# KiCad board LegionKeys.kicad_pcb
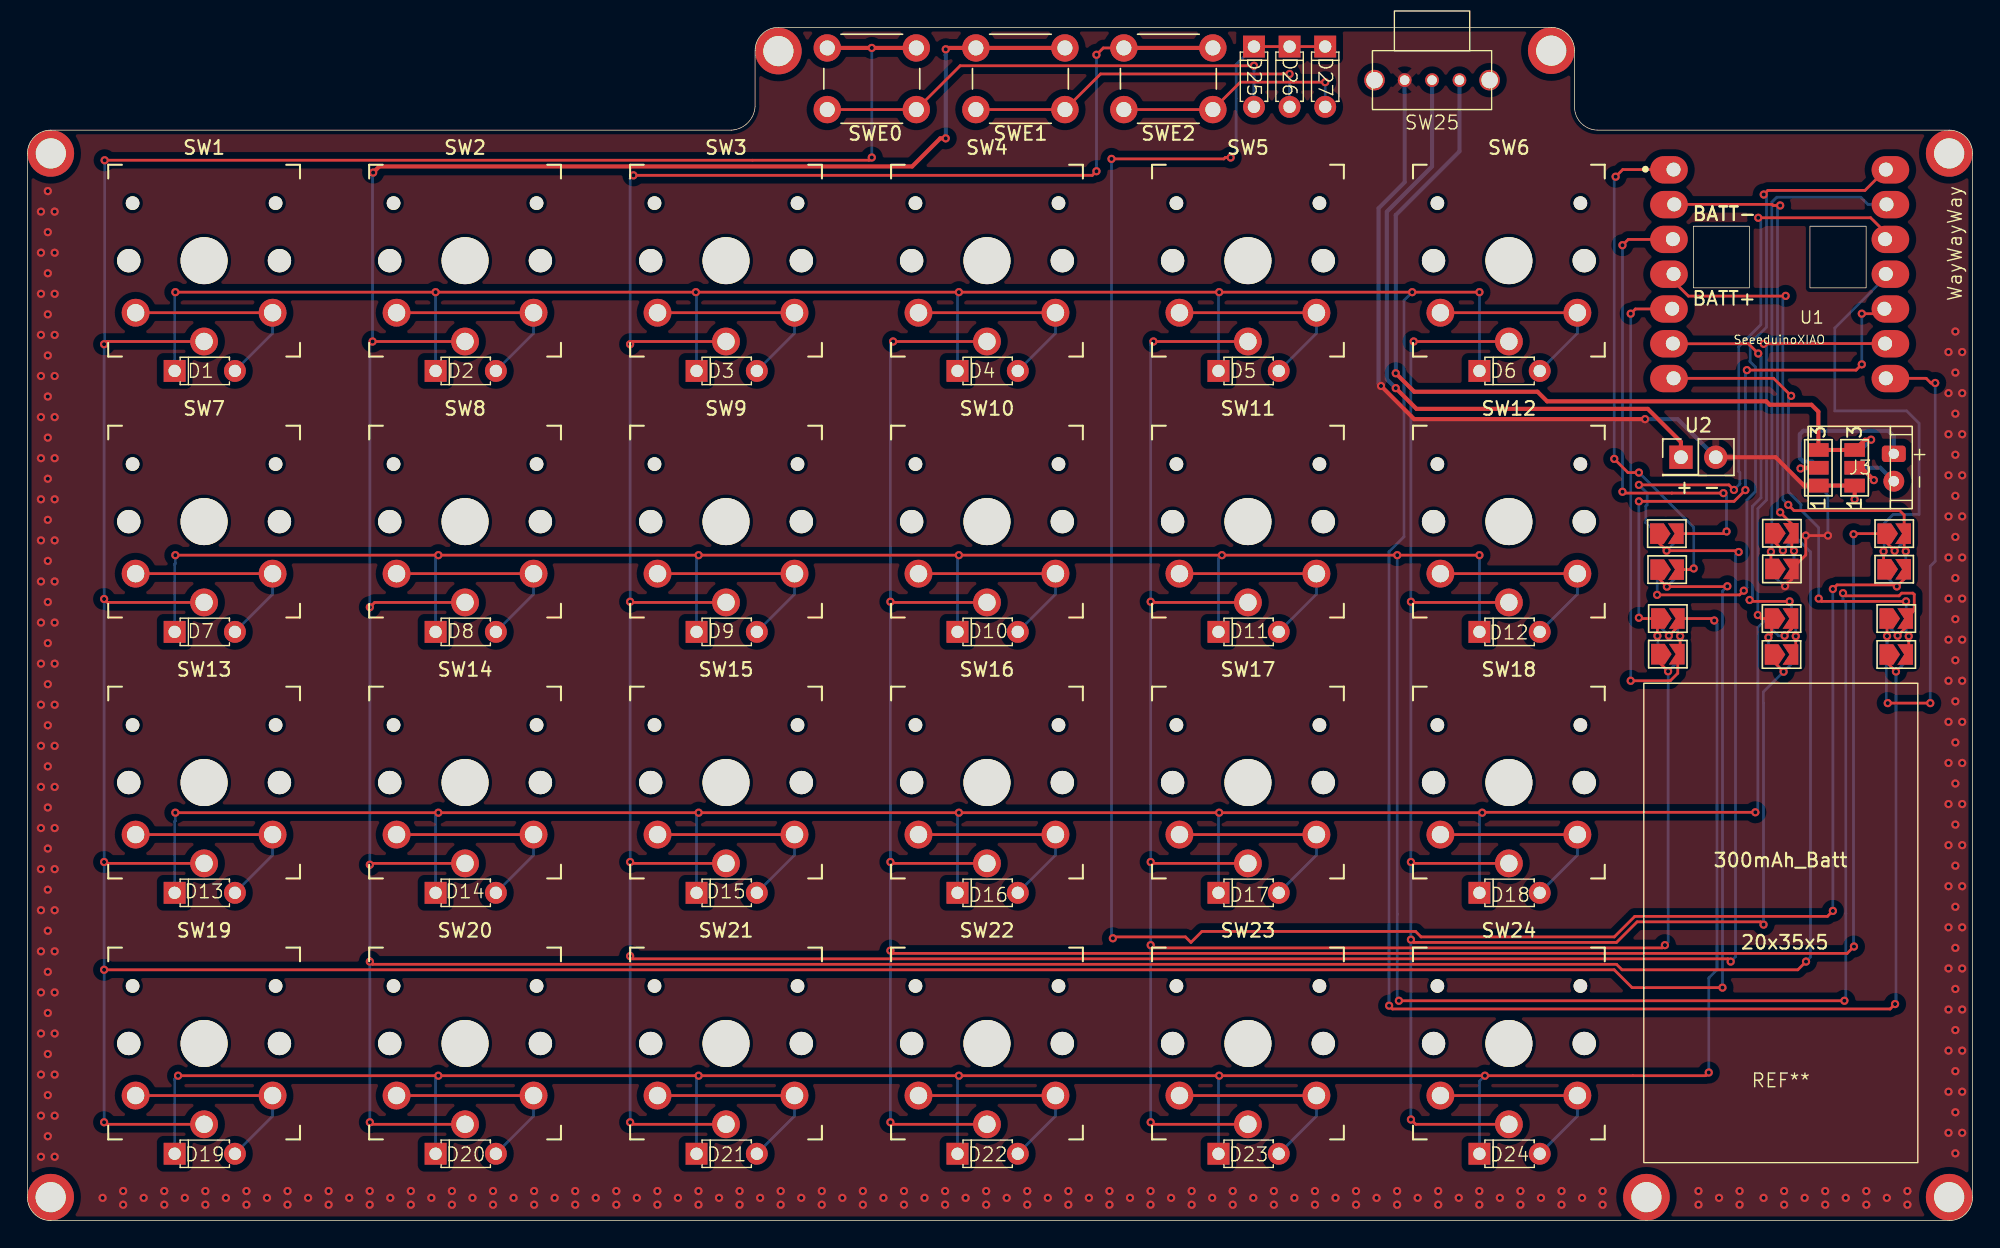
[diagram p0: board, top side]
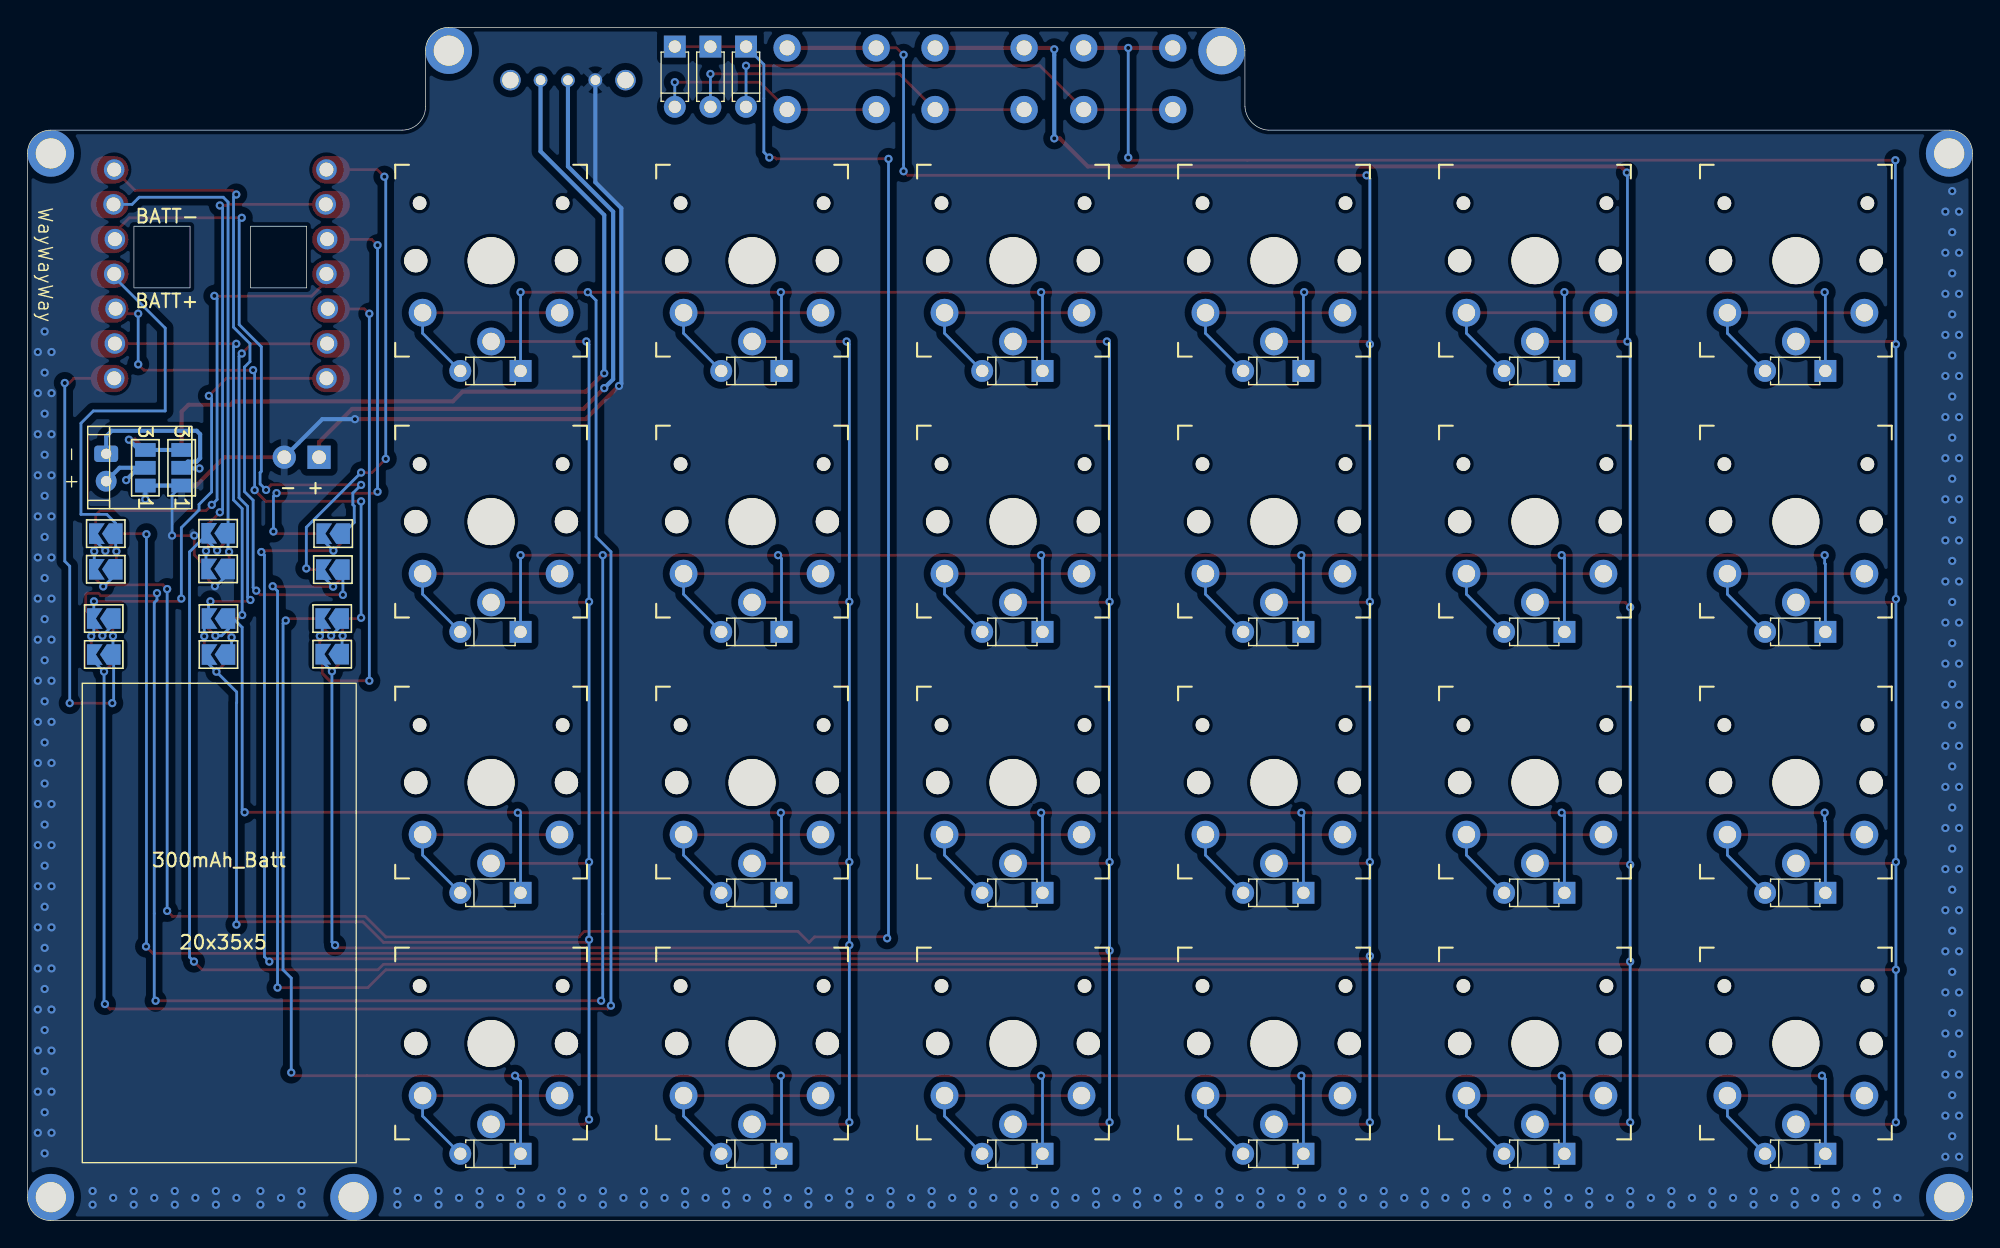
[diagram p1: board, bottom side, seen from below]

Outline 142 x 87.11 mm; copper layers: Top, Bottom. Coordinates in mm from the lower left corner of the outline.
Outline path: 0,77.91 arc(0.5,79.11) 1.71,79.61 51.42,79.61 arc(52.6,80.15) 53.12,81.34 53.12,85.41 arc(53.62,86.61) 54.82,87.11 111.24,87.11 arc(112.44,86.61) 112.94,85.41 112.94,81.31 arc(113.44,80.11) 114.64,79.61 140.29,79.61 arc(141.5,79.11) 142,77.91 142,1.71 arc(141.5,0.5) 140.29,0 1.7,0 arc(0.5,0.5) 0,1.71 0,77.91
Stack: Top 0.035mm / dielectric 1.51mm FR4 er 4.5 / Bottom 0.035mm

## Placement (name value [footprint] x y rotation side)
D1  D  [1N4148_Diode]  12.95 62.03 0 top
D2  D  [1N4148_Diode]  32 62.03 0 top
D3  D  [1N4148_Diode]  51.05 62.03 0 top
D4  D  [1N4148_Diode]  70.1 62.03 0 top
D5  D  [1N4148_Diode]  89.15 62.03 0 top
D6  D  [1N4148_Diode]  108.2 62.03 0 top
D7  D  [1N4148_Diode]  12.95 42.98 0 top
D8  D  [1N4148_Diode]  32 42.98 0 top
D9  D  [1N4148_Diode]  51.05 42.98 0 top
D10  D  [1N4148_Diode]  70.1 42.98 0 top
D11  D  [1N4148_Diode]  89.15 42.98 0 top
D12  D  [1N4148_Diode]  108.2 42.98 0 top
D13  D  [1N4148_Diode]  12.95 23.93 0 top
D14  D  [1N4148_Diode]  32 23.93 0 top
D15  D  [1N4148_Diode]  51.05 23.93 0 top
D16  D  [1N4148_Diode]  70.1 23.93 0 top
D17  D  [1N4148_Diode]  89.15 23.93 0 top
D18  D  [1N4148_Diode]  108.2 23.93 0 top
D19  D  [1N4148_Diode]  12.95 4.88 0 top
D20  D  [1N4148_Diode]  32 4.88 0 top
D21  D  [1N4148_Diode]  51.05 4.88 0 top
D22  D  [1N4148_Diode]  70.1 4.88 0 top
D23  D  [1N4148_Diode]  89.15 4.88 0 top
D24  D  [1N4148_Diode]  108.2 4.88 0 top
D25  D  [1N4148_Diode]  89.54 83.51 270 top
D26  D  [1N4148_Diode]  92.14 83.51 270 top
D27  D  [1N4148_Diode]  94.74 83.51 270 top
J3  Conn_01x02_Socket  [JST_2P_PH_SideMount]  136.25 54.98 0 top
JP_BATT+B1  SolderJumper_3_Open  [SolderJumper-3_P1.3mm_Open_Pad1.0x1.5mm_NumberLabels]  130.74 54.96 90 bottom
JP_BATT+F1  SolderJumper_3_Open  [SolderJumper-3_P1.3mm_Open_Pad1.0x1.5mm_NumberLabels]  130.74 54.96 90 top
JP_BATT-B1  SolderJumper_3_Open  [SolderJumper-3_P1.3mm_Open_Pad1.0x1.5mm_NumberLabels]  133.39 54.96 90 bottom
JP_BATT-F1  SolderJumper_3_Open  [SolderJumper-3_P1.3mm_Open_Pad1.0x1.5mm_NumberLabels]  133.39 54.96 90 top
JPB-2  Jumper  [SolderJumper-2_P1.3mm_Open_TrianglePad1.0x1.5mm]  128.08 47.58 0 bottom
JPB-4  Jumper  [SolderJumper-2_P1.3mm_Open_TrianglePad1.0x1.5mm]  136.28 47.55 0 bottom
JPB-5  Jumper  [SolderJumper-2_P1.3mm_Open_TrianglePad1.0x1.5mm]  119.75 43.95 0 bottom
JPB-6  Jumper  [SolderJumper-2_P1.3mm_Open_TrianglePad1.0x1.5mm]  128.05 43.95 0 bottom
JPB-7  Jumper  [SolderJumper-2_P1.3mm_Open_TrianglePad1.0x1.5mm]  136.43 43.95 0 bottom
JPB-8  Jumper  [SolderJumper-2_P1.3mm_Open_TrianglePad1.0x1.5mm]  136.43 41.33 0 bottom
JPB-9  Jumper  [SolderJumper-2_P1.3mm_Open_TrianglePad1.0x1.5mm]  128.05 41.33 0 bottom
JPB-10  Jumper  [SolderJumper-2_P1.3mm_Open_TrianglePad1.0x1.5mm]  119.75 41.35 0 bottom
JPB-11  Jumper  [SolderJumper-2_P1.3mm_Open_TrianglePad1.0x1.5mm]  136.28 50.15 0 bottom
JPB-12  Jumper  [SolderJumper-2_P1.3mm_Open_TrianglePad1.0x1.5mm]  119.68 50.15 0 bottom
JPB-13  Jumper  [SolderJumper-2_P1.3mm_Open_TrianglePad1.0x1.5mm]  128.08 50.18 0 bottom
JPB-14  Jumper  [SolderJumper-2_P1.3mm_Open_TrianglePad1.0x1.5mm]  119.7 47.53 0 bottom
JPF-1  Jumper  [SolderJumper-2_P1.3mm_Open_TrianglePad1.0x1.5mm]  119.7 47.53 0 top
JPF-2  Jumper  [SolderJumper-2_P1.3mm_Open_TrianglePad1.0x1.5mm]  128.08 50.18 0 top
JPF-3  Jumper  [SolderJumper-2_P1.3mm_Open_TrianglePad1.0x1.5mm]  119.68 50.15 0 top
JPF-4  Jumper  [SolderJumper-2_P1.3mm_Open_TrianglePad1.0x1.5mm]  136.28 50.15 0 top
JPF-5  Jumper  [SolderJumper-2_P1.3mm_Open_TrianglePad1.0x1.5mm]  119.75 41.35 0 top
JPF-6  Jumper  [SolderJumper-2_P1.3mm_Open_TrianglePad1.0x1.5mm]  128.05 41.33 0 top
JPF-7  Jumper  [SolderJumper-2_P1.3mm_Open_TrianglePad1.0x1.5mm]  136.43 41.33 0 top
JPF-8  Jumper  [SolderJumper-2_P1.3mm_Open_TrianglePad1.0x1.5mm]  136.43 43.95 0 top
JPF-9  Jumper  [SolderJumper-2_P1.3mm_Open_TrianglePad1.0x1.5mm]  128.05 43.95 0 top
JPF-10  Jumper  [SolderJumper-2_P1.3mm_Open_TrianglePad1.0x1.5mm]  119.75 43.95 0 top
JPF-11  Jumper  [SolderJumper-2_P1.3mm_Open_TrianglePad1.0x1.5mm]  136.28 47.55 0 top
JPF-13  Jumper  [SolderJumper-2_P1.3mm_Open_TrianglePad1.0x1.5mm]  128.08 47.58 0 top
REF**  -  [NamePlate_1]  139.84 69.41 90 top
REF**#2  -  [ScrewHole]  140.29 77.91 0 top
REF**#3  -  [ScrewHole]  1.71 77.91 0 top
REF**#4  -  [ScrewHole]  118.19 1.71 0 top
REF**#5  -  [ScrewHole]  140.29 1.71 0 top
REF**#6  -  [ScrewHole]  111.24 85.41 0 top
REF**#7  -  [300mAh_Battery]  128 21.73 0 top
REF**#8  -  [ScrewHole]  1.7 1.71 0 top
REF**#9  -  [ScrewHole]  54.82 85.38 0 top
REF**#10  -  [NamePlate_1]  139.84 71.71 270 bottom
SW1  SW_Push  [SW_PG1350_reversible]  12.9 70.08 0 top
SW2  SW_Push  [SW_PG1350_reversible]  31.95 70.08 0 top
SW3  SW_Push  [SW_PG1350_reversible]  51 70.08 0 top
SW4  SW_Push  [SW_PG1350_reversible]  70.05 70.08 0 top
SW5  SW_Push  [SW_PG1350_reversible]  89.1 70.08 0 top
SW6  SW_Push  [SW_PG1350_reversible]  108.15 70.08 0 top
SW7  SW_Push  [SW_PG1350_reversible]  12.9 51.03 0 top
SW8  SW_Push  [SW_PG1350_reversible]  31.95 51.03 0 top
SW9  SW_Push  [SW_PG1350_reversible]  51 51.03 0 top
SW10  SW_Push  [SW_PG1350_reversible]  70.05 51.03 0 top
SW11  SW_Push  [SW_PG1350_reversible]  89.1 51.03 0 top
SW12  SW_Push  [SW_PG1350_reversible]  108.15 51.03 0 top
SW13  SW_Push  [SW_PG1350_reversible]  12.9 31.98 0 top
SW14  SW_Push  [SW_PG1350_reversible]  31.95 31.98 0 top
SW15  SW_Push  [SW_PG1350_reversible]  51 31.98 0 top
SW16  SW_Push  [SW_PG1350_reversible]  70.05 31.98 0 top
SW17  SW_Push  [SW_PG1350_reversible]  89.1 31.98 0 top
SW18  SW_Push  [SW_PG1350_reversible]  108.15 31.98 0 top
SW19  SW_Push  [SW_PG1350_reversible]  12.9 12.93 0 top
SW20  SW_Push  [SW_PG1350_reversible]  31.95 12.93 0 top
SW21  SW_Push  [SW_PG1350_reversible]  51 12.93 0 top
SW22  SW_Push  [SW_PG1350_reversible]  70.05 12.93 0 top
SW23  SW_Push  [SW_PG1350_reversible]  89.1 12.93 0 top
SW24  SW_Push  [SW_PG1350_reversible]  108.15 12.93 0 top
SW25  SW_SPDT  [SlideSwitch_IS-1245T-G]  102.54 83.26 180 top
SWE0  SW_Push  [SW_PUSH_6mm]  58.39 85.61 0 top
SWE1  SW_Push  [SW_PUSH_6mm]  69.24 85.61 0 top
SWE2  SW_Push  [SW_PUSH_6mm]  80.04 85.61 0 top
U1  SeeeduinoXIAO  [Seeeduino XIAO-MOUDLE14P-2.54-21X17.8MM_ThroughHole]  119 58.59 0 top
U2  ~  [PinHeader_2x01_P2.54mm_Vertical]  120.71 55.73 0 top

## Library data of the parts
D1-D27 = -: Description: Diode; Sim.Pins: 1=K 2=A; ki_fp_filters: TO-???* *_Diode_* *SingleDiode* D_*
J3 = -: Description: Generic connector, single row, 01x02, script generated
JP_BATT+B1 JP_BATT+F1 JP_BATT-B1 JP_BATT-F1 = -: Description: Solder Jumper, 3-pole, open; ki_fp_filters: SolderJumper*Open*
JPB-2 JPB-4-JPB-14 JPF-1-JPF-11 JPF-13 = -: Description: Solder Jumper, 2-pole, open; ki_fp_filters: SolderJumper*Open*
SW1-SW24 SWE0-SWE2 = -: Description: Push button switch, generic, two pins
SW25 = -: Description: Switch, single pole double throw

## Footprints (pads in the part's own frame, mm; a bottom-side part is the same pattern mirrored in y, then rotated)
1N4148_Diode
  rect 1.6x1.6 hole 0.9: 1(-2.2,0)
  round 1.6 hole 0.9: 2(2.2,0)
JST_2P_PH_SideMount
  rrect 1.75x1.2 hole 0.75: 1(0,1)
  round 1.524 hole 0.762: 2(0,-1)
PinHeader_2x01_P2.54mm_Vertical
  rect 1.7x1.7 hole 1: 1(0,0)
  oval 1.7x1.7 hole 1: 2(2.54,0)
ScrewHole
  round 3.4 hole 2.2: (0,0)
Seeeduino XIAO-MOUDLE14P-2.54-21X17.8MM_ThroughHole
  oval 2.748x1.999 smd: 1(0.833,18.118) 2(0.833,15.578) 3(0.833,13.038) 4(0.833,10.498) 5(0.833,7.958) 6(0.833,5.418) 7(0.833,2.878) 8(16.998,2.878) 9(16.998,5.418) 10(16.998,7.958) 11(16.998,10.498) 12(16.998,13.038) 13(16.998,15.578) 14(16.998,18.118)
  round 1.5 hole 1.02: 1(1.168,18.136) 2(1.219,15.596) 3(1.118,13.056) 4(1.168,10.516) 5(1.067,7.976) 6(1.118,5.436) 7(1.168,2.896) 8(16.662,2.896) 9(16.612,5.436) 10(16.561,7.976) 11(16.662,10.516) 12(16.612,13.056) 13(16.713,15.596) 14(16.662,18.136)
SlideSwitch_IS-1245T-G
  round 1.5 hole 1.2: (-4.2,0) (4.2,0)
  round 1 hole 0.7: 1(-2,0) 2(0,0) 3(2,0)
SolderJumper-2_P1.3mm_Open_TrianglePad1.0x1.5mm
  custom 1.5x1.5 smd: 1(-0.725,0)
  custom 1.15x1.5 smd: 2(0.725,0)
SolderJumper-3_P1.3mm_Open_Pad1.0x1.5mm_NumberLabels
  rect 1x1.5 smd: 1(-1.3,0) 2(0,0) 3(1.3,0)
SW_PG1350_reversible
  round 1.702 hole 1.702 unplated: (-5.5,0) (5.5,0)
  round 0.991 hole 0.991 unplated: (-5.22,4.2) (5.22,4.2)
  round 3.429 hole 3.429 unplated: (0,0)
  round 2.032 hole 1.27: 1(0,-5.9) 2(-5,-3.8) 2(5,-3.8)
SW_PUSH_6mm
  round 2 hole 1.1: 1(0,0) 1(6.5,0) 2(0,-4.5) 2(6.5,-4.5)

## Nets
GND: JP_BATT+B1.1 JP_BATT+F1.1 JP_BATT-B1.1 JP_BATT-F1.1 JPB-2.1 JPF-13.2 SW25.3 U2.2
+BATT: SW25.2 U2.1
/COL0: JPB-14.2 JPF-1.1 SW1.1 SW7.1 SW13.1 SW19.1 SWE0.1
/COL1: JPB-13.2 JPF-2.1 SW2.1 SW8.1 SW14.1 SW20.1 SWE1.1
/COL2: JPB-12.2 JPF-3.1 SW3.1 SW9.1 SW15.1 SW21.1 SWE2.1
/COL3: JPB-11.2 JPF-4.1 SW4.1 SW10.1 SW16.1 SW22.1
/COL4: JPB-10.2 JPF-5.1 SW5.1 SW11.1 SW17.1 SW23.1
/COL5: JPB-9.2 JPF-6.1 SW6.1 SW12.1 SW18.1 SW24.1
/ROW0: D1.1 D2.1 D3.1 D4.1 D5.1 D6.1 JPB-8.2 JPF-7.1
/ROW1: D7.1 D8.1 D9.1 D10.1 D11.1 D12.1 JPB-7.1 JPF-8.2
/ROW2: D13.1 D14.1 D15.1 D16.1 D17.1 D18.1 JPB-6.1 JPF-9.2
/ROW3: D19.1 D20.1 D21.1 D22.1 D23.1 D24.1 JPB-5.1 JPF-10.2
/ROW4: D25.1 D26.1 D27.1 JPB-4.1 JPF-11.2
Net-(D1-A): D1.2 SW1.2
Net-(D2-A): D2.2 SW2.2
Net-(D3-A): D3.2 SW3.2
Net-(D4-A): D4.2 SW4.2
Net-(D5-A): D5.2 SW5.2
Net-(D6-A): D6.2 SW6.2
Net-(D7-A): D7.2 SW7.2
Net-(D8-A): D8.2 SW8.2
Net-(D9-A): D9.2 SW9.2
Net-(D10-A): D10.2 SW10.2
Net-(D11-A): D11.2 SW11.2
Net-(D12-A): D12.2 SW12.2
Net-(D13-A): D13.2 SW13.2
Net-(D14-A): D14.2 SW14.2
Net-(D15-A): D15.2 SW15.2
Net-(D16-A): D16.2 SW16.2
Net-(D17-A): D17.2 SW17.2
Net-(D18-A): D18.2 SW18.2
Net-(D19-A): D19.2 SW19.2
Net-(D20-A): D20.2 SW20.2
Net-(D21-A): D21.2 SW21.2
Net-(D22-A): D22.2 SW22.2
Net-(D23-A): D23.2 SW23.2
Net-(D24-A): D24.2 SW24.2
Net-(D25-A): D25.2 SWE0.2
Net-(D26-A): D26.2 SWE1.2
Net-(D27-A): D27.2 SWE2.2
Net-(J3-Pin_1): J3.1 JP_BATT+B1.2 JP_BATT+F1.2
Net-(J3-Pin_2): J3.2 JP_BATT-B1.2 JP_BATT-F1.2
Net-(JP_BATT+B1-B): JP_BATT+B1.3 JP_BATT+F1.3 JP_BATT-B1.3 JP_BATT-F1.3 SW25.1
Net-(JPB-2-B): JPB-2.2 JPF-2.2 U1.2
Net-(JPB-4-B): JPB-4.2 JPF-4.2 U1.4
Net-(JPB-5-B): JPB-5.2 JPF-5.2 U1.5
Net-(JPB-6-B): JPB-6.2 JPF-6.2 U1.6
Net-(JPB-7-B): JPB-7.2 JPF-7.2 U1.7
Net-(JPB-8-A): JPB-8.1 JPF-8.1 U1.8
Net-(JPB-9-A): JPB-9.1 JPF-9.1 U1.9
Net-(JPB-10-A): JPB-10.1 JPF-10.1 U1.10
Net-(JPB-11-A): JPB-11.1 JPF-11.1 U1.11
Net-(JPB-12-A): JPB-12.1 U1.12
Net-(JPB-13-A): JPB-13.1 JPF-13.1 U1.13
Net-(JPB-14-A): JPB-14.1 U1.14
Net-(JPF-1-B): JPF-1.2 U1.1
Net-(JPF-3-B): JPF-3.2 U1.3

## Via types
v1: diameter 0.6, hole 0.3, Top to Bottom, 420 vias

## Routing (per net, layer and track width the routed paths; a pad name or vN(x,y) marks a point on that pad's centre or on a via; arc(x,y) is an arc through that point)
GND: length 77
  Top w0.2: v1(131.44,50.01) 131.44,50.01 v1(129.82,50.01) 129.82,48.59 JPF-13.2 128.8,46.81 v1(128.31,46.32)
  Top w0.3: v1(133.39,52.66) JP_BATT-F1.1 JP_BATT+F1.1 129.69,53.66 127.62,55.73 U2.2 ; v1(98.81,60.93) 101.24,58.51 v1(118.09,58.51)
  Bottom w0.2: v1(128.31,46.32) 128.23,46.32 127.35,47.19 JPB-2.1 ; JP_BATT+F1.1 131.44,52.96 v1(131.44,50.01)
  Bottom w0.3: v1(98.81,60.93) 98.64,61.11 98.64,73.91 100.54,75.81 SW25.3 ; U2.2 120.47,58.51 v1(118.09,58.51) ; v1(133.39,52.66) JP_BATT-F1.1 JP_BATT+F1.1
  vias: v1(0.99,73.66) v1(0.99,70.66) v1(0.99,67.66) v1(0.99,64.66) v1(0.99,61.66) v1(0.99,58.66) v1(0.99,55.66) v1(0.99,52.66) v1(0.99,49.66) v1(0.99,46.66) v1(0.99,43.66) v1(0.99,40.66) v1(0.99,37.66) v1(0.99,34.66) v1(0.99,31.66) v1(0.99,28.66) v1(0.99,25.66) v1(0.99,22.66) v1(0.99,19.66) v1(0.99,16.66) v1(0.99,13.66) v1(0.99,10.66) v1(0.99,7.66) v1(0.99,4.66) v1(1.49,75.16) v1(1.49,72.16) v1(1.49,69.16) v1(1.49,66.16) v1(1.49,63.16) v1(1.49,60.16) v1(1.49,57.16) v1(1.49,54.16) v1(1.49,51.16) v1(1.49,48.16) v1(1.49,45.16) v1(1.49,42.16) v1(1.49,39.16) v1(1.49,36.16) v1(1.49,33.16) v1(1.49,30.16) v1(1.49,27.16) v1(1.49,24.16) v1(1.49,21.16) v1(1.49,18.16) v1(1.49,15.16) v1(1.49,12.16) v1(1.49,9.16) v1(1.49,6.16) v1(1.99,73.66) v1(1.99,70.66) v1(1.99,67.66) v1(1.99,64.66) v1(1.99,61.66) v1(1.99,58.66) v1(1.99,55.66) v1(1.99,52.66) v1(1.99,49.66) v1(1.99,46.66) v1(1.99,43.66) v1(1.99,40.66) v1(1.99,37.66) v1(1.99,34.66) v1(1.99,31.66) v1(1.99,28.66) v1(1.99,25.66) v1(1.99,22.66) v1(1.99,19.66) v1(1.99,16.66) v1(1.99,13.66) v1(1.99,10.66) v1(1.99,7.66) v1(1.99,4.66) v1(5.49,1.66) v1(6.99,2.16) v1(6.99,1.16) v1(8.49,1.66) v1(9.99,2.16) v1(9.99,1.16) v1(11.49,1.66) v1(12.99,2.16) v1(12.99,1.16) v1(14.49,1.66) v1(15.99,2.16) v1(15.99,1.16) v1(17.49,1.66) v1(18.99,2.16) v1(18.99,1.16) v1(20.49,1.66) v1(21.99,2.16) v1(21.99,1.16) v1(23.49,1.66) v1(24.99,2.16) v1(24.99,1.16) v1(26.49,1.66) v1(27.99,2.16) v1(27.99,1.16) v1(29.49,1.66) v1(30.99,2.16) v1(30.99,1.16) v1(32.49,1.66) v1(33.99,2.16) v1(33.99,1.16) v1(35.49,1.66) v1(36.99,2.16) v1(36.99,1.16) v1(38.49,1.66) v1(39.99,2.16) v1(39.99,1.16) v1(41.49,1.66) v1(42.99,2.16) v1(42.99,1.16) v1(44.49,1.66) v1(45.99,2.16) v1(45.99,1.16) v1(47.49,1.66) v1(48.99,2.16) v1(48.99,1.16) v1(50.49,1.66) v1(51.99,2.16) v1(51.99,1.16) v1(53.49,1.66) v1(54.99,2.16) v1(54.99,1.16) v1(56.49,1.66) v1(57.99,2.16) v1(57.99,1.16) v1(59.49,1.66) v1(60.99,2.16) v1(60.99,1.16) v1(62.49,1.66) v1(63.99,2.16) v1(63.99,1.16) v1(65.49,1.66) v1(66.99,2.16) v1(66.99,1.16) v1(68.49,1.66) v1(69.99,2.16) v1(69.99,1.16) v1(71.49,1.66) v1(72.99,2.16) v1(72.99,1.16) v1(74.49,1.66) v1(75.99,2.16) v1(75.99,1.16) v1(77.49,1.66) v1(78.99,2.16) v1(78.99,1.16) v1(80.49,1.66) v1(81.99,2.16) v1(81.99,1.16) v1(83.49,1.66) v1(84.99,2.16) v1(84.99,1.16) v1(86.49,1.66) v1(87.99,2.16) v1(87.99,1.16) v1(89.49,1.66) v1(90.99,2.16) v1(90.99,1.16) v1(92.49,1.66) v1(93.99,2.16) v1(93.99,1.16) v1(95.49,1.66) v1(96.99,2.16) v1(96.99,1.16) v1(98.49,1.66) v1(99.99,2.16) v1(99.99,1.16) v1(101.49,1.66) v1(102.99,2.16) v1(102.99,1.16) v1(104.49,1.66) v1(105.99,2.16) v1(105.99,1.16) v1(107.49,1.66) v1(108.99,2.16) v1(108.99,1.16) v1(110.49,1.66) v1(111.99,2.16) v1(111.99,1.16) v1(113.49,1.66) v1(114.99,2.16) v1(114.99,1.16) v1(121.99,2.16) v1(121.99,1.16) v1(123.49,1.66) v1(124.99,2.16) v1(124.99,1.16) v1(126.74,1.66) v1(128.24,2.16) v1(128.24,1.16) v1(129.74,1.66) v1(131.24,2.16) v1(131.24,1.16) v1(132.74,1.66) v1(134.24,2.16) v1(134.24,1.16) v1(135.74,1.66) v1(137.24,2.16) v1(137.24,1.16) v1(140.24,63.41) v1(140.24,60.41) v1(140.24,57.41) v1(140.24,54.41) v1(140.24,51.41) v1(140.24,48.41) v1(140.24,45.41) v1(140.24,42.41) v1(140.24,39.41) v1(140.24,36.41) v1(140.24,33.41) v1(140.24,30.41) v1(140.24,27.41) v1(140.24,24.41) v1(140.24,21.41) v1(140.24,18.41) v1(140.24,15.41) v1(140.24,12.41) v1(140.24,9.41) v1(140.24,6.41) v1(140.74,64.91) v1(140.74,61.91) v1(140.74,58.91) v1(140.74,55.91) v1(140.74,52.91) v1(140.74,49.91) v1(140.74,46.91) v1(140.74,43.91) v1(140.74,40.91) v1(140.74,37.91) v1(140.74,34.91) v1(140.74,31.91) v1(140.74,28.91) v1(140.74,25.91) v1(140.74,22.91) v1(140.74,19.91) v1(140.74,16.91) v1(140.74,13.91) v1(140.74,10.91) v1(140.74,7.91) v1(140.74,4.91) v1(141.24,63.41) v1(141.24,60.41) v1(141.24,57.41) v1(141.24,54.41) v1(141.24,51.41) v1(141.24,48.41) v1(141.24,45.41) v1(141.24,42.41) v1(141.24,39.41) v1(141.24,36.41) v1(141.24,33.41) v1(141.24,30.41) v1(141.24,27.41) v1(141.24,24.41) v1(141.24,21.41) v1(141.24,18.41) v1(141.24,15.41) v1(141.24,12.41) v1(141.24,9.41) v1(141.24,6.41)
+BATT: length 47.7
  Top w0.3: U2.1 120.71,56.84 118.29,59.26 101.41,59.26 v1(99.89,60.78)
  Bottom w0.3: v1(99.89,60.78) 99.24,61.43 99.24,73.66 102.54,76.96 SW25.2
/COL0: length 326
  Top w0.2: SW19.1 5.75,7.03 v1(5.6,7.18) ; v1(5.64,77.41) 61.44,77.41 v1(61.64,77.61) ; SW13.1 5.7,26.08 v1(5.6,26.18) ; 119,46.99 119,47.53 ; v1(5.6,63.98) 5.8,64.18 SW1.1 ; v1(123.74,17.01) 117.14,17.01 115.84,18.31 v1(5.6,18.31) ; v1(5.6,45.38) 5.85,45.13 SW7.1 ; v1(124.1,46.31) 124.07,46.28 v1(119.68,46.28) 118.98,46.99
  Top w0.3: SWE0.1 v1(61.64,85.61) SWE0.1
  Bottom w0.2: v1(5.64,77.41) 5.64,64.09 5.6,64.05 v1(5.6,63.98) v1(5.6,45.38) v1(5.6,26.18) v1(5.6,18.31) v1(5.6,7.18) ; v1(123.74,17.01) 123.74,45.95 v1(124.1,46.31) ; JPB-14.2 120.43,47.02 v1(119.68,46.28) ; v1(61.64,77.61) v1(61.64,85.61)
/COL1: length 295.9
  Top w0.2: SW14.1 25.1,26.08 v1(25,25.98) ; v1(25,7.18) 25.15,7.03 SW20.1 ; v1(25,44.78) 25.35,45.13 SW8.1 ; v1(129.84,18.91) 129.24,18.31 116.41,18.31 116.01,18.71 25.2,18.71 v1(25,18.91) ; v1(25.2,64.18) SW2.1 ; JPF-2.1 127.35,49.72 v1(128.15,48.92)
  Top w0.3: v1(67.04,79.01) 66.64,79.01 64.59,76.96 25.69,76.96 v1(25.24,76.51) ; SWE1.1 SWE1.1 67.14,85.61 v1(67.04,85.51)
  Bottom w0.2: 25,18.81 v1(25,18.91) ; 25,18.81 v1(25,7.18) ; 25,18.81 v1(25,25.98) v1(25,44.78) 25,63.98 v1(25.2,64.18) 25.2,76.47 v1(25.24,76.51) ; v1(129.84,18.91) 130.16,19.23 130.16,48.82 JPB-13.2 128.8,49.58 v1(128.15,48.92)
  Bottom w0.3: v1(67.04,79.01) v1(67.04,85.51)
/COL2: length 267.6
  Top w0.2: v1(124.92,48.81) 124.83,48.91 v1(119.66,48.91) 118.95,49.61 ; v1(78.04,76.61) 77.74,76.31 v1(44.24,76.31) ; v1(44,45.18) 44.05,45.13 SW9.1 ; SWE2.1 78.54,85.61 v1(78.04,85.11) ; SW3.1 44.2,64.18 v1(44,63.98) ; SW21.1 44.15,7.03 v1(44,7.18) ; v1(44,19.31) 44.2,19.11 124.14,19.11 v1(124.34,18.91) ; 118.98,49.61 118.98,50.15 ; v1(44,26.18) 44.1,26.08 SW15.1
  Top w0.3: SWE2.1 SWE2.1
  Bottom w0.2: v1(44,7.18) v1(44,26.18) v1(44,45.18) v1(44,63.98) 44,76.07 v1(44.24,76.31) ; v1(78.04,85.11) v1(78.04,76.61) ; JPB-12.2 120.4,49.65 v1(119.66,48.91) ; v1(124.34,18.91) 124.7,19.27 124.7,48.58 v1(124.92,48.81)
/COL3: length 191.3
  Top w0.2: v1(133.31,50.11) 133.35,50.15 JPF-4.1 135.55,49.66 v1(136.31,48.9) ; v1(63,7.18) 63.15,7.03 SW22.1 ; SW16.1 63.1,26.08 v1(63,26.18) ; v1(63.2,64.18) SW4.1 ; v1(133.34,20.01) 132.84,19.51 63.2,19.51 v1(63,19.71) ; SW10.1 63.05,45.13 v1(63,45.18)
  Bottom w0.2: JPB-11.2 137,49.59 v1(136.31,48.9) ; v1(133.34,20.01) 133.31,20.04 v1(133.31,50.11) ; v1(63.2,64.18) 63,63.98 v1(63,45.18) v1(63,26.18) v1(63,7.18)
/COL4: length 146.4
  Top w0.2: SW17.1 82.1,26.08 v1(82,26.18) ; v1(119.77,40.1) 119.03,40.84 JPF-5.1 ; v1(82,7.18) 82.15,7.03 SW23.1 ; v1(82,45.18) 82.05,45.13 SW11.1 ; v1(82.2,64.18) SW5.1 ; v1(82,20.11) 82,20.05 82.14,19.91 119.34,19.91 v1(119.54,20.11)
  Bottom w0.2: JPB-10.2 120.48,40.81 v1(119.77,40.1) 119.77,20.34 v1(119.54,20.11) ; v1(82,7.18) 82,20.21 ; 82,20.21 v1(82,20.11) ; 82,20.21 v1(82,26.18) v1(82,45.18) 82,63.98 v1(82.2,64.18)
/COL5: length 134.3
  Top w0.2: v1(101,20.51) 101.2,20.31 116.01,20.31 117.51,21.81 126.54,21.81 v1(126.74,21.61) ; v1(128.2,40.07) 127.33,40.95 JPF-6.1 ; v1(101,45.18) 101.05,45.13 SW12.1 ; v1(101,7.38) 101.35,7.03 SW24.1 ; v1(101,26.18) 101.1,26.08 SW18.1 ; v1(101.2,64.18) SW6.1
  Bottom w0.2: 101,20.41 v1(101,20.51) ; 101,20.41 v1(101,7.38) ; 101,20.41 v1(101,26.18) v1(101,45.18) 101,63.98 v1(101.2,64.18) ; JPB-9.2 128.78,40.65 v1(128.2,40.07) 126.72,38.59 126.72,37.81 126.74,37.79 v1(126.74,21.61)
/ROW0: length 247.2
  Top w0.2: v1(136.34,15.81) 135.98,15.45 99.65,15.45 v1(99.4,15.69) ; v1(106,67.78) v1(101.09,67.78) v1(87,67.78) v1(68,67.78) v1(48.8,67.78) v1(29.8,67.78) v1(10.8,67.78) ; 135.75,40.79 135.75,41.33 ; v1(136.41,40.08) 135.7,40.79
  Bottom w0.2: D5.1 86.95,67.73 v1(87,67.78) ; v1(101.09,67.78) 100.49,67.18 100.49,49.92 99.4,48.83 99.4,15.7 v1(99.4,15.69) ; D1.1 10.75,67.73 v1(10.8,67.78) ; v1(48.8,67.78) 48.85,67.73 D3.1 ; D4.1 67.9,67.68 v1(68,67.78) ; D6.1 v1(106,67.78) ; D2.1 v1(29.8,67.78) ; v1(136.34,15.81) 136.41,15.88 v1(136.41,40.08) 137.15,40.83 JPB-8.2
/ROW1: length 234.6
  Top w0.2: v1(132.64,16.05) v1(100.12,16.05) ; v1(106,48.58) v1(87.2,48.58) v1(68,48.58) v1(49,48.58) v1(30,48.58) v1(10.8,48.58) ; v1(136.53,42.7) 137.15,43.32 JPF-8.2 137.74,44.54 137.74,45.71 137.64,45.81 136.83,45.81 136.63,45.61 132.74,45.61 v1(132.54,45.81)
  Bottom w0.2: v1(68,48.58) 67.9,48.48 D10.1 ; 135.75,43.95 135.75,43.52 ; v1(132.54,45.81) 132.54,45.31 132.74,45.11 132.74,16.15 v1(132.64,16.05) ; v1(10.8,48.58) 10.8,47.98 10.75,47.93 D7.1 ; D11.1 86.95,48.33 v1(87.2,48.58) ; v1(100,48.58) 100,16.17 v1(100.12,16.05) ; D9.1 48.85,48.43 v1(49,48.58) ; D12.1 v1(106,48.58) ; D8.1 29.8,48.38 v1(30,48.58) ; 135.7,43.52 v1(136.53,42.7)
/ROW2: length 169
  Top w0.2: JPF-9.2 128.78,43.2 v1(128.28,42.7) ; v1(126.14,29.81) 106.23,29.81 v1(106.2,29.78) v1(87,29.78) v1(68,29.78) v1(49,29.78) v1(30,29.78) v1(10.8,29.78)
  Bottom w0.2: v1(49,29.78) 48.85,29.63 D15.1 ; D18.1 106,29.58 v1(106.2,29.78) ; v1(30,29.78) 29.8,29.58 D14.1 ; v1(128.28,42.7) 127.83,42.7 127.33,43.2 JPB-6.1 126.96,43.95 126.32,43.31 126.32,29.99 v1(126.14,29.81) ; v1(68,29.78) 67.9,29.68 D16.1 ; v1(10.8,29.78) 10.8,29.18 10.75,29.13 D13.1 ; v1(87,29.78) 86.95,29.73 D17.1
/ROW3: length 185.7
  Top w0.2: v1(119.83,42.7) 120.48,43.35 JPF-10.2 123,43.95 v1(123.14,43.81) ; v1(122.74,10.81) 122.51,10.58 v1(106.4,10.58) v1(87,10.58) v1(68,10.58) v1(49,10.58) v1(30,10.58) v1(11,10.58)
  Bottom w0.2: D23.1 86.95,10.53 v1(87,10.58) ; D24.1 106,10.18 v1(106.4,10.58) ; D22.1 67.9,10.48 v1(68,10.58) ; v1(119.83,42.7) 119.03,43.5 JPB-5.1 ; D21.1 48.85,10.43 v1(49,10.58) ; D20.1 29.8,10.38 v1(30,10.58) ; v1(122.74,10.81) 122.74,17.71 123.34,18.31 123.34,43.61 v1(123.14,43.81) ; v1(11,10.58) 10.75,10.33 D19.1
/ROW4: length 165.2
  Top w0.2: D25.1 D26.1 D27.1 ; v1(131.8,22.61) 131.4,22.21 117.34,22.21 115.84,20.71 101.74,20.71 101.34,21.11 85.74,21.11 84.94,20.31 84.54,20.71 79.34,20.71 v1(79.24,20.61) ; JPF-11.2 137,46.83 v1(136.47,46.3) 136.36,46.41 132.1,46.41 v1(131.8,46.11) ; v1(87.84,77.61) 87.44,77.61 87.34,77.51 v1(79.14,77.51)
  Bottom w0.2: v1(136.47,46.3) 136.43,46.3 135.55,47.17 JPB-4.1 ; v1(79.24,20.61) 79.14,20.71 v1(79.14,77.51) ; v1(87.84,77.61) 88.24,78.01 88.24,84.41 D25.1 ; v1(131.8,22.61) v1(131.8,46.11)
Net-(D1-A): length 15.4
  Top w0.2: SW1.2 SW1.2
  Bottom w0.2: SW1.2 17.9,64.78 D1.2
Net-(D2-A): length 15.4
  Top w0.2: SW2.2 SW2.2
  Bottom w0.2: D2.2 36.95,64.78 SW2.2
Net-(D3-A): length 15.4
  Top w0.2: SW3.2 SW3.2
  Bottom w0.2: D3.2 56,64.78 SW3.2
Net-(D4-A): length 15.4
  Top w0.2: SW4.2 SW4.2
  Bottom w0.2: D4.2 75.05,64.78 SW4.2
Net-(D5-A): length 15.4
  Top w0.2: SW5.2 SW5.2
  Bottom w0.2: SW5.2 94.1,64.78 D5.2
Net-(D6-A): length 15.4
  Top w0.2: SW6.2 SW6.2
  Bottom w0.2: SW6.2 113.15,64.78 D6.2
Net-(D7-A): length 15.4
  Top w0.2: SW7.2 SW7.2
  Bottom w0.2: SW7.2 17.9,45.73 D7.2
Net-(D8-A): length 15.4
  Top w0.2: SW8.2 SW8.2
  Bottom w0.2: SW8.2 36.95,45.73 D8.2
Net-(D9-A): length 15.4
  Top w0.2: SW9.2 SW9.2
  Bottom w0.2: D9.2 56,45.73 SW9.2
Net-(D10-A): length 15.4
  Top w0.2: SW10.2 SW10.2
  Bottom w0.2: D10.2 75.05,45.73 SW10.2
Net-(D11-A): length 15.4
  Top w0.2: SW11.2 SW11.2
  Bottom w0.2: D11.2 94.1,45.73 SW11.2
Net-(D12-A): length 15.4
  Top w0.2: SW12.2 SW12.2
  Bottom w0.2: D12.2 113.15,45.73 SW12.2
Net-(D13-A): length 15.4
  Top w0.2: SW13.2 SW13.2
  Bottom w0.2: D13.2 17.9,26.68 SW13.2
Net-(D14-A): length 15.4
  Top w0.2: SW14.2 SW14.2
  Bottom w0.2: SW14.2 36.95,26.68 D14.2
Net-(D15-A): length 15.4
  Top w0.2: SW15.2 SW15.2
  Bottom w0.2: D15.2 56,26.68 SW15.2
Net-(D16-A): length 15.4
  Top w0.2: SW16.2 SW16.2
  Bottom w0.2: D16.2 75.05,26.68 SW16.2
Net-(D17-A): length 15.4
  Top w0.2: SW17.2 SW17.2
  Bottom w0.2: SW17.2 94.1,26.68 D17.2
Net-(D18-A): length 15.4
  Top w0.2: SW18.2 SW18.2
  Bottom w0.2: SW18.2 113.15,26.68 D18.2
Net-(D19-A): length 15.4
  Top w0.2: SW19.2 SW19.2
  Bottom w0.2: D19.2 17.9,7.63 SW19.2
Net-(D20-A): length 15.4
  Top w0.2: SW20.2 SW20.2
  Bottom w0.2: D20.2 36.95,7.63 SW20.2
Net-(D21-A): length 15.4
  Top w0.2: SW21.2 SW21.2
  Bottom w0.2: SW21.2 56,7.63 D21.2
Net-(D22-A): length 15.4
  Top w0.2: SW22.2 SW22.2
  Bottom w0.2: D22.2 75.05,7.63 SW22.2
Net-(D23-A): length 15.4
  Top w0.2: SW23.2 SW23.2
  Bottom w0.2: SW23.2 94.1,7.63 D23.2
Net-(D24-A): length 15.4
  Top w0.2: SW24.2 SW24.2
  Bottom w0.2: D24.2 113.15,7.63 SW24.2
Net-(D25-A): length 35.5
  Top w0.2: SWE0.2 SWE0.2 68.09,84.31 v1(89.54,84.31)
  Bottom w0.2: v1(89.54,84.31) D25.2
Net-(D26-A): length 26.4
  Top w0.2: SWE1.2 SWE1.2 78.34,83.71 v1(92.14,83.71)
  Bottom w0.2: v1(92.14,83.71) D26.2
Net-(D27-A): length 17.3
  Top w0.2: SWE2.2 SWE2.2 88.54,83.11 v1(94.74,83.11)
  Bottom w0.2: v1(94.74,83.11) D27.2
Net-(J3-Pin_1): length 14.4
  Top w0.3: v1(129.44,54.91) 129.49,54.96 JP_BATT+F1.2
  Bottom w0.3: v1(129.44,54.91) 130.69,54.91 JP_BATT+F1.2 130.29,55.41 129.64,55.41 129.39,55.66 129.39,57.41 129.64,57.66 135.84,57.66 136.25,57.25 J3.1
Net-(J3-Pin_2): length 6.8
  Top w0.3: JP_BATT-F1.2 133.89,54.96 v1(134.79,54.06)
  Bottom w0.3: J3.2 135.27,54.96 JP_BATT-F1.2 133.89,54.96 v1(134.79,54.06)
Net-(JP_BATT+B1-B): length 66.5
  Top w0.3: v1(134.59,57.01) 134.14,57.01 JP_BATT-F1.3 JP_BATT+F1.3 130.74,59.06 130.24,59.56 127.19,59.56 126.94,59.81 110.94,59.81 110.24,60.51 101.24,60.51 v1(99.89,61.86)
  Bottom w0.3: v1(134.59,57.01) 133.84,56.26 JP_BATT-F1.3 JP_BATT+F1.3 ; v1(99.89,61.86) 99.89,73.41 104.54,78.06 SW25.1
Net-(JPB-2-B): length 35
  Top w0.2: v1(127.95,74.11) 127.44,74.11 127.36,74.19 U1.2 ; v1(127.95,51.71) 128.8,50.86 JPF-2.2 128.8,49.05 v1(128.96,48.89)
  Bottom w0.2: v1(127.95,51.71) 127.75,51.91 127.75,73.91 v1(127.95,74.11) ; JPB-2.2 128.96,47.74 v1(128.96,48.89)
Net-(JPB-4-B): length 37.5
  Top w0.2: U1.4 120.17,68.58 121.25,67.49 128.34,67.49 v1(128.35,67.51) ; v1(137.12,48.86) 137,48.98 JPF-4.2 137,51.51 136.68,51.83 128.96,51.83 v1(128.54,52.25)
  Bottom w0.2: v1(128.35,67.51) 128.15,67.31 128.15,52.64 v1(128.54,52.25) ; JPB-4.2 137.12,47.67 v1(137.12,48.86)
Net-(JPB-5-B): length 37.5
  Top w0.2: v1(120.65,42.67) 120.65,41.53 JPF-5.2 120.48,39.96 119.93,39.41 v1(117.04,39.41) ; U1.5 117.38,66.55 v1(117.04,66.21)
  Bottom w0.2: v1(120.65,42.67) 120.48,42.85 JPB-5.2 ; v1(117.04,39.41) v1(117.04,66.21)
Net-(JPB-6-B): length 32.4
  Top w0.2: v1(128.64,45.21) 125.83,45.21 v1(125.72,45.31) ; v1(129.09,42.66) 129.09,41.64 JPF-6.2 ; v1(126.35,63.3) 125.64,64.01 U1.6
  Bottom w0.2: v1(125.72,45.31) 125.92,45.51 125.92,52.15 126.55,52.78 126.55,63.1 v1(126.35,63.3) ; v1(128.64,45.21) 128.78,45.07 JPB-6.2 129.09,43.64 v1(129.09,42.66)
Net-(JPB-7-B): length 35.4
  Top w0.2: v1(137.34,42.66) 137.34,41.52 JPF-7.2 ; v1(137.14,45.21) 130.97,45.21 v1(130.76,45.41) ; v1(128.75,60.21) 127.47,61.49 U1.7
  Bottom w0.2: v1(137.34,42.66) 137.15,42.85 JPB-7.2 137.15,45.19 v1(137.14,45.21) ; v1(130.76,45.41) 130.76,50.59 129.47,51.88 129.47,52.28 128.55,53.2 128.55,60.01 v1(128.75,60.21)
Net-(JPB-8-A): length 37
  Top w0.2: v1(138.91,37.78) v1(135.81,37.78) ; 135.38,61.21 U1.8 138.61,61.49 138.95,61.15 v1(139.27,61.15) ; 135.75,43.95 135.75,42.67 v1(135.75,42.67)
  Bottom w0.2: 135.75,41.33 135.75,41.33 v1(135.75,42.67) ; v1(135.81,37.78) 135.7,37.88 JPB-8.1 ; v1(139.27,61.15) 139.27,48.14 138.91,47.78 v1(138.91,37.78)
Net-(JPB-9-A): length 32.9
  Top w0.2: v1(126.75,64.01) 127.94,64.01 127.96,64.03 U1.9 ; v1(126.32,44.21) 126.58,43.95 JPF-9.1 127.33,42.81 v1(127.09,42.58)
  Bottom w0.2: v1(126.32,44.21) 126.32,51.98 126.95,52.61 126.95,63.81 v1(126.75,64.01) ; JPB-9.1 127.09,41.56 v1(127.09,42.58)
Net-(JPB-10-A): length 43.5
  Top w0.2: v1(125.52,62.09) 133.49,62.09 v1(133.91,62.51) ; U1.10 135.2,66.21 v1(133.91,66.21) ; v1(117.64,52.51) 124.59,52.51 v1(125.41,53.33) ; v1(118.99,42.69) 118.99,43.92 JPF-10.1 117.7,43.95 v1(117.64,44.01)
  Bottom w0.2: v1(133.91,62.51) v1(133.91,66.21) ; v1(125.41,53.33) 125.41,61.98 v1(125.52,62.09) ; v1(117.64,44.01) v1(117.64,52.51) ; v1(118.99,42.69) 119.03,42.65 JPB-10.1
Net-(JPB-11-A): length 31.5
  Top w0.2: JPF-11.1 135.5,47.6 v1(135.5,48.86)
  Bottom w0.2: v1(135.5,48.86) 135.55,48.91 JPB-11.1 135.55,50.91 136.2,51.56 138.09,51.56 138.09,58.21 137.19,59.11 131.94,59.11 131.94,65.16 135.66,68.88 U1.11 135.66,68.53
Net-(JPB-12-A): length 42.3
  Top w0.2: v1(117.64,53.71) 124.21,53.71 v1(124.58,53.34) ; v1(126.35,73.21) 134.56,73.21 135.61,72.16 U1.12
  Bottom w0.2: v1(124.58,53.34) 125.01,53.78 125.01,54.61 124.92,54.7 124.92,63.79 126.54,65.41 126.54,73.02 v1(126.35,73.21) ; v1(117.64,53.71) 118.24,53.11 118.24,52.26 118.14,52.16 118.14,50.97 JPB-12.1
Net-(JPB-13-A): length 35.6
  Top w0.2: v1(127.28,48.83) 127.28,47.65 JPF-13.1
  Bottom w0.2: v1(127.28,48.83) 127.35,48.91 JPB-13.1 127.35,74.36 127.7,74.71 133.84,74.71 134.36,74.19 U1.13
Net-(JPB-14-A): length 48.2
  Top w0.2: v1(125.3,45.99) 124.99,45.68 v1(118.97,45.68) 118.84,45.81 ; U1.14 134.14,75.21 127.05,75.21 v1(126.75,74.91)
  Bottom w0.2: v1(125.3,45.99) 125.52,46.21 125.52,52.59 126.15,53.22 126.15,62.31 125.75,62.71 125.75,64.02 126.95,65.22 126.95,74.71 v1(126.75,74.91) ; v1(118.97,45.68) 118.97,47.52 JPB-14.1
Net-(JPF-1-B): length 37.2
  Top w0.2: U1.1 116.46,76.73 v1(115.94,76.21) ; v1(117.64,54.61) 116.84,54.61 v1(115.84,55.61) ; v1(121.64,47.61) 121.56,47.53 JPF-1.2
  Bottom w0.2: v1(117.64,54.61) 121.64,50.61 v1(121.64,47.61) ; v1(115.84,55.61) 115.84,76.11 v1(115.94,76.21)
Net-(JPF-3-B): length 35.6
  Top w0.2: v1(124.04,50.31) 123.88,50.15 JPF-3.2 ; v1(116.44,53.21) 116.54,53.11 120.04,53.11 v1(123.81,53.11) ; U1.3 116.86,71.63 v1(116.44,71.21)
  Bottom w0.2: v1(124.04,50.31) 124.04,52.88 v1(123.81,53.11) ; v1(116.44,53.21) v1(116.44,71.21)

## Copper pours and planes (outline as drawn; the poured copper is in the pictures)
GND on Top, Bottom: -3.76,90.41 146.24,90.41 146.24,-4.59 -3.76,-4.59

## Text on the board
B.Silkscreen: + -
F.Silkscreen: + -
